# Altium PCB TMS320F28379D_Interfaz.PcbDoc (part 2 of 2)
Units mil, origin at the board's own origin, x right, y up, seen from the top; angles counter-clockwise.
Board outline 8060.03 x 5960.03 mil, 2 copper layers (Top Layer, Bottom Layer); 359 components, 256 nets, 1304 pads, 0 vias.
Unrouted connection lines stored in the file: 888.
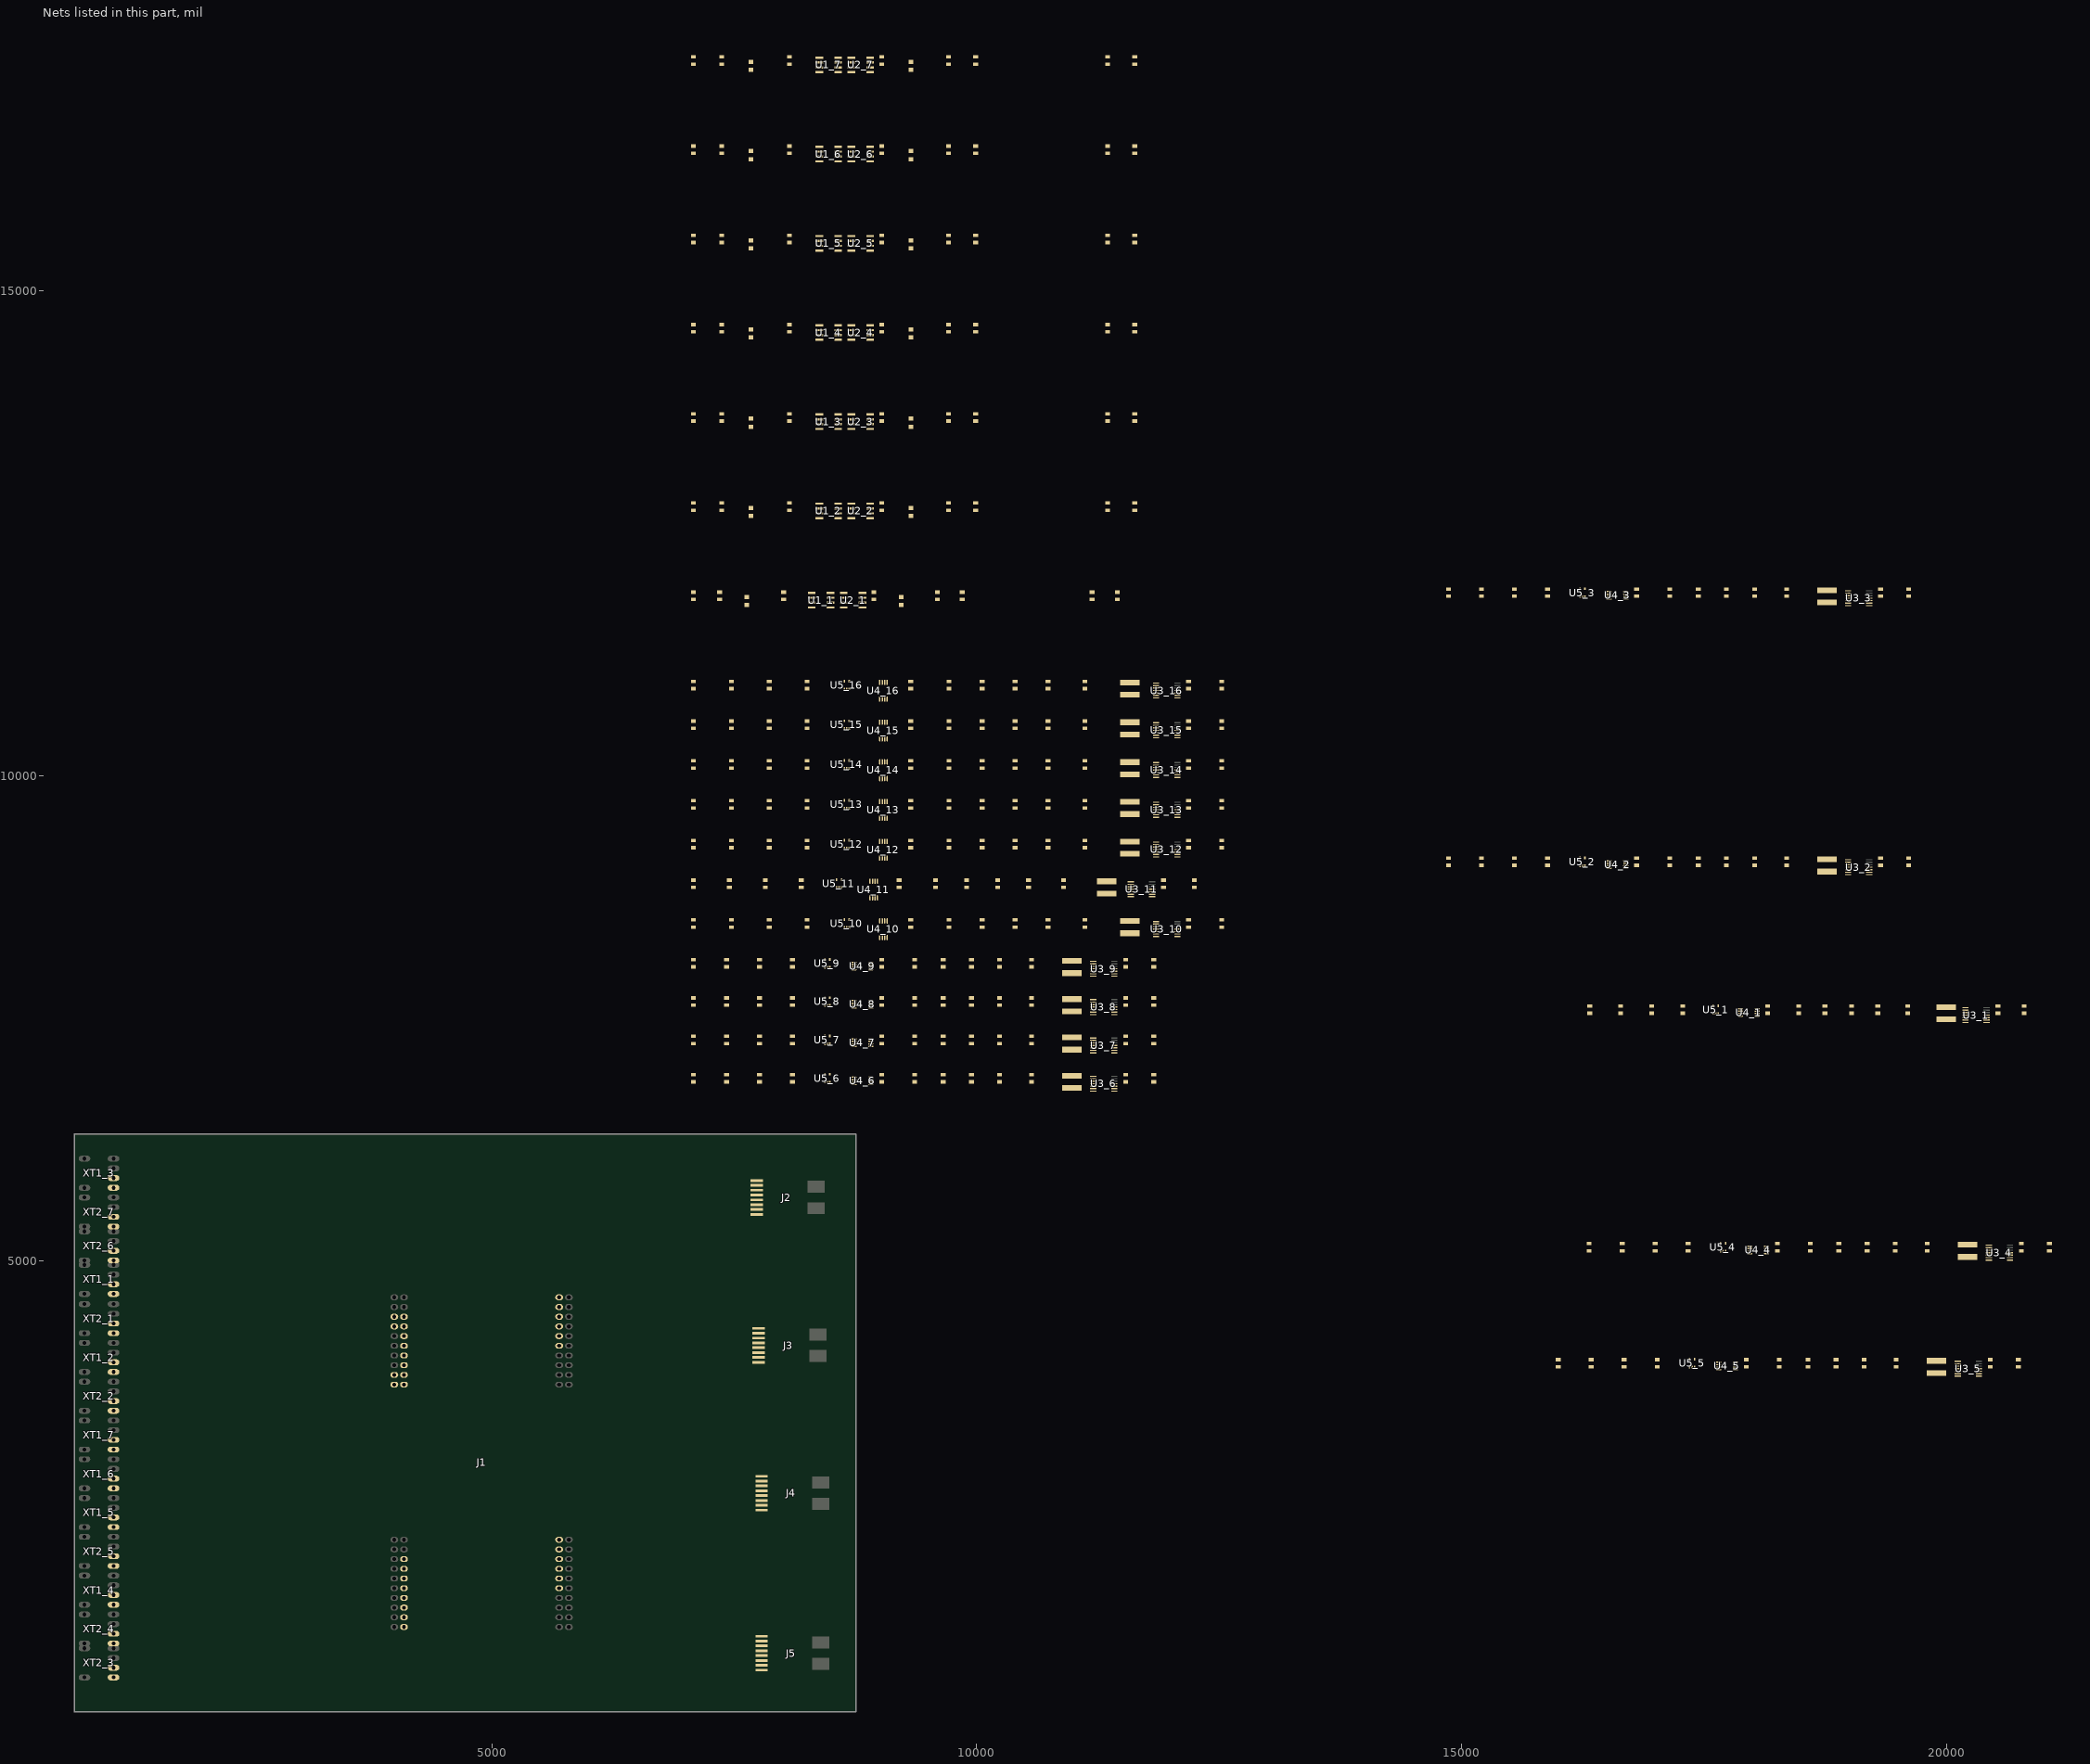
[diagram p2: the nets of this part, all layers, seen from the top]

## Part data
J1: Digi-Key Part Number=609-3221-ND, Manufacturer Part Number=67996-420HLF
J2 J3 J4 J5: "CONN MOD JACK 8P8C VERT UNSHLD", Digi-Key Part Number=A99306CT-ND, Manufacturer Part Number=1-338088-3
LED1_1 LED1_2 LED1_3 LED1_4 LED1_5 LED1_6 LED1_7 LED2_1 LED2_2 LED2_3 LED2_4 LED2_5 LED2_6 LED2_7: "Led", Digi-Key Part Number=732-4984-1-ND, Manufacturer Part Number=150080RS75000
R1_1 R1_2 R1_3 R1_4 R1_5 R1_6 R1_7 R2_1 R2_2 R2_3 R2_4 R2_5 R2_6 R2_7 R3_1 R3_2 R3_3 R3_4 R3_5 R3_6 R3_7 R4_1 R4_2 R4_3 R4_4 R4_5 R4_6 R4_7 R5_1 R5_2 R5_3 R5_4 R5_5 R5_6 R5_7 R6_1 R6_2 R6_3 R6_4 R6_5 R6_6 R6_7 R7_1 R7_2 R7_3 R7_4 R7_5 R7_6 R7_7 R7_8 R7_9 R7_10 R7_11 R7_12 R7_13 R7_14 R7_15 R7_16 R8_1 R8_2 R8_3 R8_4 R8_5 R8_6 R8_7 R8_8 R8_9 R8_10 R8_11 R8_12 R8_13 R8_14 R8_15 R8_16 R10_1 R10_2 R10_3 R10_4 R10_5 R10_6 R10_7 R10_8 R10_9 R10_10 R10_11 R10_12 R10_13 R10_14 R10_15 R10_16 R11_1 R11_2 R11_3 R11_4 R11_5 R11_6 R11_7 R11_8 R11_9 R11_10 R11_11 R11_12 R11_13 R11_14 R11_15 R11_16 R12_1 R12_2 R12_3 R12_4 R12_5 R12_6 R12_7 R12_8 R12_9 R12_10 R12_11 R12_12 R12_13 R12_14 R12_15 R12_16 R13_1 R13_2 R13_3 R13_4 R13_5 R13_6 R13_7 R13_8 R13_9 R13_10 R13_11 R13_12 R13_13 R13_14 R13_15 R13_16 R14_1 R14_2 R14_3 R14_4 R14_5 R14_6 R14_7 R14_8 R14_9 R14_10 R14_11 R14_12 R14_13 R14_14 R14_15 R14_16 R15_1 R15_2 R15_3 R15_4 R15_5 R15_6 R15_7 R15_8 R15_9 R15_10 R15_11 R15_12 R15_13 R15_14 R15_15 R15_16 R16_1 R16_2 R16_3 R16_4 R16_5 R16_6 R16_7 R16_8 R16_9 R16_10 R16_11 R16_12 R16_13 R16_14 R16_15 R16_16: library part Resistor, "Resistor"
R9_1 R9_2 R9_3 R9_4 R9_5 R9_6 R9_7 R9_8 R9_9 R9_10 R9_11 R9_12 R9_13 R9_14 R9_15 R9_16: library part Resistor, "Resistor", Digi-Key Part Number=RCL220ACT-ND, Manufacturer Part Number=RCL1218220RFKEK
U1_1 U1_2 U1_3 U1_4 U1_5 U1_6 U1_7 U2_1 U2_2 U2_3 U2_4 U2_5 U2_6 U2_7: "Dual Very-High Speed, High-Current Peripheral Drivers 8-SOIC 0 to 70", Digikey Part-Number=296-14960-6-ND, Manufacurer Part-Number=SN75451BDR
U3_1 U3_2 U3_3 U3_4 U3_5 U3_6 U3_7 U3_8 U3_9 U3_10 U3_11 U3_12 U3_13 U3_14 U3_15 U3_16: Digi-Key Part Number=OPA4344EACT-ND, Manufacturer Part Number=OPA4344EA/250, Código de producto RS=660-9868
U4_1 U4_2 U4_3 U4_4 U4_5 U4_6 U4_7 U4_8 U4_9 U4_10 U4_11 U4_12 U4_13 U4_14 U4_15 U4_16: Digi-Key Part Number=MAX962EUA+-ND, Manufacturer Part Number=MAX962EUA+, Código de producto RS=622-9241
U5_1 U5_2 U5_3 U5_4 U5_5 U5_6 U5_7 U5_8 U5_9 U5_10 U5_11 U5_12 U5_13 U5_14 U5_15 U5_16: "2-Input OR Gate", Digi-Key Part Number=MC74VHC1G32DFT1GOSCT-ND, Manufacturer Part Number=MC74VHC1G32DFT1G, Código de producto RS=806-4005
XT1_1 XT1_2 XT1_3 XT1_4 XT1_5 XT1_6 XT1_7 XT2_1 XT2_2 XT2_3 XT2_4 XT2_5 XT2_6 XT2_7: Digi-Key Part Number=516-2043-ND, Manufacturer Part Number=HFBR-1521Z

## Nets (pads, with @x,y where several pads share a name; then routed paths per layer and width w, separated by ;. In a path a pad name is that pad's centre, name@x,y a point inside that pad or via, vN(x,y) a via of type N, cw(c..) or ccw(c..) an arc to the next point about the centre after c; other vN are vias at no path point)
3.3V: R15_1.1 R15_2.1 R15_3.1 R15_4.1 R15_5.1 R15_6.1 R15_7.1 R15_8.1 R15_9.1 R15_10.1 R15_11.1 R15_12.1 R15_13.1 R15_14.1 R15_15.1 R15_16.1
+3.3V: R11_1.2 R11_2.2 R11_3.2 R11_4.2 R11_5.2 R11_6.2 R11_7.2 R11_8.2 R11_9.2 R11_10.2 R11_11.2 R11_12.2 R11_13.2 R11_14.2 R11_15.2 R11_16.2
+5V: C1_1.1 C1_2.1 C1_3.1 C1_4.1 C1_5.1 C1_6.1 C1_7.1 C2_1.1 C2_2.1 C2_3.1 C2_4.1 C2_5.1 C2_6.1 C2_7.1 C3_1.2 C3_2.2 C3_3.2 C3_4.2 C3_5.2 C3_6.2 C3_7.2 C3_8.2 C3_9.2 C3_10.2 C3_11.2 C3_12.2 C3_13.2 C3_14.2 C3_15.2 C3_16.2 C4_1.2 C4_2.2 C4_3.2 C4_4.2 C4_5.2 C4_6.2 C4_7.2 C4_8.2 C4_9.2 C4_10.2 C4_11.2 C4_12.2 C4_13.2 C4_14.2 C4_15.2 C4_16.2 R1_1.2 R1_2.2 R1_3.2 R1_4.2 R1_5.2 R1_6.2 R1_7.2 R2_1.2 R2_2.2 R2_3.2 R2_4.2 R2_5.2 R2_6.2 R2_7.2 R3_1.2 R3_2.2 R3_3.2 R3_4.2 R3_5.2 R3_6.2 R3_7.2 R4_1.2 R4_2.2 R4_3.2 R4_4.2 R4_5.2 R4_6.2 R4_7.2 U1_1.1 U1_1.6 U1_1.8 U1_2.1 U1_2.6 U1_2.8 U1_3.1 U1_3.6 U1_3.8 U1_4.1 U1_4.6 U1_4.8 U1_5.1 U1_5.6 U1_5.8 U1_6.1 U1_6.6 U1_6.8 U1_7.1 U1_7.6 U1_7.8 U2_1.1 U2_1.6 U2_1.8 U2_2.1 U2_2.6 U2_2.8 U2_3.1 U2_3.6 U2_3.8 U2_4.1 U2_4.6 U2_4.8 U2_5.1 U2_5.6 U2_5.8 U2_6.1 U2_6.6 U2_6.8 U2_7.1 U2_7.6 U2_7.8 U3_1.4 U3_2.4 U3_3.4 U3_4.4 U3_5.4 U3_6.4 U3_7.4 U3_8.4 U3_9.4 U3_10.4 U3_11.4 U3_12.4 U3_13.4 U3_14.4 U3_15.4 U3_16.4 U4_1.8 U4_2.8 U4_3.8 U4_4.8 U4_5.8 U4_6.8 U4_7.8 U4_8.8 U4_9.8 U4_10.8 U4_11.8 U4_12.8 U4_13.8 U4_14.8 U4_15.8 U4_16.8 U5_1.5 U5_2.5 U5_3.5 U5_4.5 U5_5.5 U5_6.5 U5_7.5 U5_8.5 U5_9.5 U5_10.5 U5_11.5 U5_12.5 U5_13.5 U5_14.5 U5_15.5 U5_16.5
ADC_IN_1: J2.1 R7_1.1 R9_1.2
ADC_IN_2: J2.3 R7_2.1 R9_2.2
ADC_IN_3: J2.5 R7_3.1 R9_3.2
ADC_IN_4: J2.7 R7_4.1 R9_4.2
ADC_IN_5: J3.1 R7_5.1 R9_5.2
ADC_IN_6: J3.3 R7_6.1 R9_6.2
ADC_IN_7: J3.5 R7_7.1 R9_7.2
ADC_IN_8: J3.7 R7_8.1 R9_8.2
ADC_IN_9: J4.1 R7_9.1 R9_9.2
ADC_IN_10: J4.3 R7_10.1 R9_10.2
ADC_IN_11: J4.5 R7_11.1 R9_11.2
ADC_IN_12: J4.7 R7_12.1 R9_12.2
ADC_IN_13: J5.1 R7_13.1 R9_13.2
ADC_IN_14: J5.3 R7_14.1 R9_14.2
ADC_IN_15: J5.5 R7_15.1 R9_15.2
ADC_IN_16: J5.7 R7_16.1 R9_16.2
ADC_OUT_1: C5_1.2 J1.23 R10_1.2
ADC_OUT_2: C5_2.2 J1.24 R10_2.2
ADC_OUT_3: C5_3.2 J1.25 R10_3.2
ADC_OUT_4: C5_4.2 J1.26 R10_4.2
ADC_OUT_5: C5_5.2 J1.27 R10_5.2
ADC_OUT_6: C5_6.2 J1.28 R10_6.2
ADC_OUT_7: C5_7.2 J1.29 R10_7.2
ADC_OUT_8: C5_8.2 J1.30 R10_8.2
ADC_OUT_9: C5_9.2 J1.63 R10_9.2
ADC_OUT_10: C5_10.2 J1.64 R10_10.2
ADC_OUT_11: C5_11.2 J1.65 R10_11.2
ADC_OUT_12: C5_12.2 J1.66 R10_12.2
ADC_OUT_13: C5_13.2 J1.67 R10_13.2
ADC_OUT_14: C5_14.2 J1.68 R10_14.2
ADC_OUT_15: C5_15.2 J1.69 R10_15.2
ADC_OUT_16: C5_16.2 J1.70 R10_16.2
GND: C1_1.2 C1_2.2 C1_3.2 C1_4.2 C1_5.2 C1_6.2 C1_7.2 C2_1.2 C2_2.2 C2_3.2 C2_4.2 C2_5.2 C2_6.2 C2_7.2 C3_1.1 C3_2.1 C3_3.1 C3_4.1 C3_5.1 C3_6.1 C3_7.1 C3_8.1 C3_9.1 C3_10.1 C3_11.1 C3_12.1 C3_13.1 C3_14.1 C3_15.1 C3_16.1 C4_1.1 C4_2.1 C4_3.1 C4_4.1 C4_5.1 C4_6.1 C4_7.1 C4_8.1 C4_9.1 C4_10.1 C4_11.1 C4_12.1 C4_13.1 C4_14.1 C4_15.1 C4_16.1 C5_1.1 C5_2.1 C5_3.1 C5_4.1 C5_5.1 C5_6.1 C5_7.1 C5_8.1 C5_9.1 C5_10.1 C5_11.1 C5_12.1 C5_13.1 C5_14.1 C5_15.1 C5_16.1 J2.2 J2.4 J2.6 J2.8 J3.2 J3.4 J3.6 J3.8 J4.2 J4.4 J4.6 J4.8 J5.2 J5.4 J5.6 J5.8 LED1_1.1 LED1_2.1 LED1_3.1 LED1_4.1 LED1_5.1 LED1_6.1 LED1_7.1 LED2_1.1 LED2_2.1 LED2_3.1 LED2_4.1 LED2_5.1 LED2_6.1 LED2_7.1 R5_1.1 R5_2.1 R5_3.1 R5_4.1 R5_5.1 R5_6.1 R5_7.1 R6_1.1 R6_2.1 R6_3.1 R6_4.1 R6_5.1 R6_6.1 R6_7.1 R9_1.1 R9_2.1 R9_3.1 R9_4.1 R9_5.1 R9_6.1 R9_7.1 R9_8.1 R9_9.1 R9_10.1 R9_11.1 R9_12.1 R9_13.1 R9_14.1 R9_15.1 R9_16.1 R12_1.1 R12_2.1 R12_3.1 R12_4.1 R12_5.1 R12_6.1 R12_7.1 R12_8.1 R12_9.1 R12_10.1 R12_11.1 R12_12.1 R12_13.1 R12_14.1 R12_15.1 R12_16.1 R16_1.1 R16_2.1 R16_3.1 R16_4.1 R16_5.1 R16_6.1 R16_7.1 R16_8.1 R16_9.1 R16_10.1 R16_11.1 R16_12.1 R16_13.1 R16_14.1 R16_15.1 R16_16.1 U1_1.4 U1_2.4 U1_3.4 U1_4.4 U1_5.4 U1_6.4 U1_7.4 U2_1.4 U2_2.4 U2_3.4 U2_4.4 U2_5.4 U2_6.4 U2_7.4 U3_1.11 U3_2.11 U3_3.11 U3_4.11 U3_5.11 U3_6.11 U3_7.11 U3_8.11 U3_9.11 U3_10.11 U3_11.11 U3_12.11 U3_13.11 U3_14.11 U3_15.11 U3_16.11 U4_1.5 U4_2.5 U4_3.5 U4_4.5 U4_5.5 U4_6.5 U4_7.5 U4_8.5 U4_9.5 U4_10.5 U4_11.5 U4_12.5 U4_13.5 U4_14.5 U4_15.5 U4_16.5 U5_1.3 U5_2.3 U5_3.3 U5_4.3 U5_5.3 U5_6.3 U5_7.3 U5_8.3 U5_9.3 U5_10.3 U5_11.3 U5_12.3 U5_13.3 U5_14.3 U5_15.3 U5_16.3 XT1_1.2 XT1_2.2 XT1_3.2 XT1_4.2 XT1_5.2 XT1_6.2 XT1_7.2 XT2_1.2 XT2_2.2 XT2_3.2 XT2_4.2 XT2_5.2 XT2_6.2 XT2_7.2
NetLED1_1_2: LED1_1.2 R3_1.1 U2_1.3
NetLED1_2_2: LED1_2.2 R3_2.1 U2_2.3
NetLED1_3_2: LED1_3.2 R3_3.1 U2_3.3
NetLED1_4_2: LED1_4.2 R3_4.1 U2_4.3
NetLED1_5_2: LED1_5.2 R3_5.1 U2_5.3
NetLED1_6_2: LED1_6.2 R3_6.1 U2_6.3
NetLED1_7_2: LED1_7.2 R3_7.1 U2_7.3
NetLED2_1_2: LED2_1.2 R4_1.1 U2_1.5
NetLED2_2_2: LED2_2.2 R4_2.1 U2_2.5
NetLED2_3_2: LED2_3.2 R4_3.1 U2_3.5
NetLED2_4_2: LED2_4.2 R4_4.1 U2_4.5
NetLED2_5_2: LED2_5.2 R4_5.1 U2_5.5
NetLED2_6_2: LED2_6.2 R4_6.1 U2_6.5
NetLED2_7_2: LED2_7.2 R4_7.1 U2_7.5
NetR1_1_1: R1_1.1 U1_1.3 XT1_1.1
NetR1_2_1: R1_2.1 U1_2.3 XT1_2.1
NetR1_3_1: R1_3.1 U1_3.3 XT1_3.1
NetR1_4_1: R1_4.1 U1_4.3 XT1_4.1
NetR1_5_1: R1_5.1 U1_5.3 XT1_5.1
NetR1_6_1: R1_6.1 U1_6.3 XT1_6.1
NetR1_7_1: R1_7.1 U1_7.3 XT1_7.1
NetR2_1_1: R2_1.1 U1_1.5 XT2_1.1
NetR2_2_1: R2_2.1 U1_2.5 XT2_2.1
NetR2_3_1: R2_3.1 U1_3.5 XT2_3.1
NetR2_4_1: R2_4.1 U1_4.5 XT2_4.1
NetR2_5_1: R2_5.1 U1_5.5 XT2_5.1
NetR2_6_1: R2_6.1 U1_6.5 XT2_6.1
NetR2_7_1: R2_7.1 U1_7.5 XT2_7.1
NetR7_1_2: R7_1.2 R8_1.1 U3_1.2
NetR7_2_2: R7_2.2 R8_2.1 U3_2.2
NetR7_3_2: R7_3.2 R8_3.1 U3_3.2
NetR7_4_2: R7_4.2 R8_4.1 U3_4.2
NetR7_5_2: R7_5.2 R8_5.1 U3_5.2
NetR7_6_2: R7_6.2 R8_6.1 U3_6.2
NetR7_7_2: R7_7.2 R8_7.1 U3_7.2
NetR7_8_2: R7_8.2 R8_8.1 U3_8.2
NetR7_9_2: R7_9.2 R8_9.1 U3_9.2
NetR7_10_2: R7_10.2 R8_10.1 U3_10.2
NetR7_11_2: R7_11.2 R8_11.1 U3_11.2
NetR7_12_2: R7_12.2 R8_12.1 U3_12.2
NetR7_13_2: R7_13.2 R8_13.1 U3_13.2
NetR7_14_2: R7_14.2 R8_14.1 U3_14.2
NetR7_15_2: R7_15.2 R8_15.1 U3_15.2
NetR7_16_2: R7_16.2 R8_16.1 U3_16.2
NetR8_1_2: R8_1.2 R10_1.1 U3_1.1 U4_1.2 U4_1.3
NetR8_2_2: R8_2.2 R10_2.1 U3_2.1 U4_2.2 U4_2.3
NetR8_3_2: R8_3.2 R10_3.1 U3_3.1 U4_3.2 U4_3.3
NetR8_4_2: R8_4.2 R10_4.1 U3_4.1 U4_4.2 U4_4.3
NetR8_5_2: R8_5.2 R10_5.1 U3_5.1 U4_5.2 U4_5.3
NetR8_6_2: R8_6.2 R10_6.1 U3_6.1 U4_6.2 U4_6.3
NetR8_7_2: R8_7.2 R10_7.1 U3_7.1 U4_7.2 U4_7.3
NetR8_8_2: R8_8.2 R10_8.1 U3_8.1 U4_8.2 U4_8.3
NetR8_9_2: R8_9.2 R10_9.1 U3_9.1 U4_9.2 U4_9.3
NetR8_10_2: R8_10.2 R10_10.1 U3_10.1 U4_10.2 U4_10.3
NetR8_11_2: R8_11.2 R10_11.1 U3_11.1 U4_11.2 U4_11.3
NetR8_12_2: R8_12.2 R10_12.1 U3_12.1 U4_12.2 U4_12.3
NetR8_13_2: R8_13.2 R10_13.1 U3_13.1 U4_13.2 U4_13.3
NetR8_14_2: R8_14.2 R10_14.1 U3_14.1 U4_14.2 U4_14.3
NetR8_15_2: R8_15.2 R10_15.1 U3_15.1 U4_15.2 U4_15.3
NetR8_16_2: R8_16.2 R10_16.1 U3_16.1 U4_16.2 U4_16.3
NetR11_1_1: R11_1.1 R12_1.2 U3_1.3
NetR11_2_1: R11_2.1 R12_2.2 U3_2.3
NetR11_3_1: R11_3.1 R12_3.2 U3_3.3
NetR11_4_1: R11_4.1 R12_4.2 U3_4.3
NetR11_5_1: R11_5.1 R12_5.2 U3_5.3
NetR11_6_1: R11_6.1 R12_6.2 U3_6.3
NetR11_7_1: R11_7.1 R12_7.2 U3_7.3
NetR11_8_1: R11_8.1 R12_8.2 U3_8.3
NetR11_9_1: R11_9.1 R12_9.2 U3_9.3
NetR11_10_1: R11_10.1 R12_10.2 U3_10.3
NetR11_11_1: R11_11.1 R12_11.2 U3_11.3
NetR11_12_1: R11_12.1 R12_12.2 U3_12.3
NetR11_13_1: R11_13.1 R12_13.2 U3_13.3
NetR11_14_1: R11_14.1 R12_14.2 U3_14.3
NetR11_15_1: R11_15.1 R12_15.2 U3_15.3
NetR11_16_1: R11_16.1 R12_16.2 U3_16.3
NetR13_1_1: R13_1.1 U3_1.6 U3_1.7 U4_1.1
NetR13_1_2: R13_1.2 R14_1.1 U3_1.9
NetR13_2_1: R13_2.1 U3_2.6 U3_2.7 U4_2.1
NetR13_2_2: R13_2.2 R14_2.1 U3_2.9
NetR13_3_1: R13_3.1 U3_3.6 U3_3.7 U4_3.1
NetR13_3_2: R13_3.2 R14_3.1 U3_3.9
NetR13_4_1: R13_4.1 U3_4.6 U3_4.7 U4_4.1
NetR13_4_2: R13_4.2 R14_4.1 U3_4.9
NetR13_5_1: R13_5.1 U3_5.6 U3_5.7 U4_5.1
NetR13_5_2: R13_5.2 R14_5.1 U3_5.9
NetR13_6_1: R13_6.1 U3_6.6 U3_6.7 U4_6.1
NetR13_6_2: R13_6.2 R14_6.1 U3_6.9
NetR13_7_1: R13_7.1 U3_7.6 U3_7.7 U4_7.1
NetR13_7_2: R13_7.2 R14_7.1 U3_7.9
NetR13_8_1: R13_8.1 U3_8.6 U3_8.7 U4_8.1
NetR13_8_2: R13_8.2 R14_8.1 U3_8.9
NetR13_9_1: R13_9.1 U3_9.6 U3_9.7 U4_9.1
NetR13_9_2: R13_9.2 R14_9.1 U3_9.9
NetR13_10_1: R13_10.1 U3_10.6 U3_10.7 U4_10.1
NetR13_10_2: R13_10.2 R14_10.1 U3_10.9
NetR13_11_1: R13_11.1 U3_11.6 U3_11.7 U4_11.1
NetR13_11_2: R13_11.2 R14_11.1 U3_11.9
NetR13_12_1: R13_12.1 U3_12.6 U3_12.7 U4_12.1
NetR13_12_2: R13_12.2 R14_12.1 U3_12.9
NetR13_13_1: R13_13.1 U3_13.6 U3_13.7 U4_13.1
NetR13_13_2: R13_13.2 R14_13.1 U3_13.9
NetR13_14_1: R13_14.1 U3_14.6 U3_14.7 U4_14.1
NetR13_14_2: R13_14.2 R14_14.1 U3_14.9
NetR13_15_1: R13_15.1 U3_15.6 U3_15.7 U4_15.1
NetR13_15_2: R13_15.2 R14_15.1 U3_15.9
NetR13_16_1: R13_16.1 U3_16.6 U3_16.7 U4_16.1
NetR13_16_2: R13_16.2 R14_16.1 U3_16.9
NetR14_1_2: R14_1.2 U3_1.8 U4_1.4
NetR14_2_2: R14_2.2 U3_2.8 U4_2.4
NetR14_3_2: R14_3.2 U3_3.8 U4_3.4
NetR14_4_2: R14_4.2 U3_4.8 U4_4.4
NetR14_5_2: R14_5.2 U3_5.8 U4_5.4
NetR14_6_2: R14_6.2 U3_6.8 U4_6.4
NetR14_7_2: R14_7.2 U3_7.8 U4_7.4
NetR14_8_2: R14_8.2 U3_8.8 U4_8.4
NetR14_9_2: R14_9.2 U3_9.8 U4_9.4
NetR14_10_2: R14_10.2 U3_10.8 U4_10.4
NetR14_11_2: R14_11.2 U3_11.8 U4_11.4
NetR14_12_2: R14_12.2 U3_12.8 U4_12.4
NetR14_13_2: R14_13.2 U3_13.8 U4_13.4
NetR14_14_2: R14_14.2 U3_14.8 U4_14.4
NetR14_15_2: R14_15.2 U3_15.8 U4_15.4
NetR14_16_2: R14_16.2 U3_16.8 U4_16.4
NetR15_1_2: R15_1.2 R16_1.2 U3_1.10
NetR15_2_2: R15_2.2 R16_2.2 U3_2.10
NetR15_3_2: R15_3.2 R16_3.2 U3_3.10
NetR15_4_2: R15_4.2 R16_4.2 U3_4.10
NetR15_5_2: R15_5.2 R16_5.2 U3_5.10
NetR15_6_2: R15_6.2 R16_6.2 U3_6.10
NetR15_7_2: R15_7.2 R16_7.2 U3_7.10
NetR15_8_2: R15_8.2 R16_8.2 U3_8.10
NetR15_9_2: R15_9.2 R16_9.2 U3_9.10
NetR15_10_2: R15_10.2 R16_10.2 U3_10.10
NetR15_11_2: R15_11.2 R16_11.2 U3_11.10
NetR15_12_2: R15_12.2 R16_12.2 U3_12.10
NetR15_13_2: R15_13.2 R16_13.2 U3_13.10
NetR15_14_2: R15_14.2 R16_14.2 U3_14.10
NetR15_15_2: R15_15.2 R16_15.2 U3_15.10
NetR15_16_2: R15_16.2 R16_16.2 U3_16.10
NetU4_1_6: U4_1.6 U5_1.1
NetU4_1_7: U4_1.7 U5_1.2
NetU4_2_6: U4_2.6 U5_2.1
NetU4_2_7: U4_2.7 U5_2.2
NetU4_3_6: U4_3.6 U5_3.1
NetU4_3_7: U4_3.7 U5_3.2
NetU4_4_6: U4_4.6 U5_4.1
NetU4_4_7: U4_4.7 U5_4.2
NetU4_5_6: U4_5.6 U5_5.1
NetU4_5_7: U4_5.7 U5_5.2
NetU4_6_6: U4_6.6 U5_6.1
NetU4_6_7: U4_6.7 U5_6.2
NetU4_7_6: U4_7.6 U5_7.1
NetU4_7_7: U4_7.7 U5_7.2
NetU4_8_6: U4_8.6 U5_8.1
NetU4_8_7: U4_8.7 U5_8.2
NetU4_9_6: U4_9.6 U5_9.1
NetU4_9_7: U4_9.7 U5_9.2
NetU4_10_6: U4_10.6 U5_10.1
NetU4_10_7: U4_10.7 U5_10.2
NetU4_11_6: U4_11.6 U5_11.1
NetU4_11_7: U4_11.7 U5_11.2
NetU4_12_6: U4_12.6 U5_12.1
NetU4_12_7: U4_12.7 U5_12.2
NetU4_13_6: U4_13.6 U5_13.1
NetU4_13_7: U4_13.7 U5_13.2
NetU4_14_6: U4_14.6 U5_14.1
NetU4_14_7: U4_14.7 U5_14.2
NetU4_15_6: U4_15.6 U5_15.1
NetU4_15_7: U4_15.7 U5_15.2
NetU4_16_6: U4_16.6 U5_16.1
NetU4_16_7: U4_16.7 U5_16.2
NetU5_1_4: U5_1.4
NetU5_2_4: U5_2.4
NetU5_3_4: U5_3.4
NetU5_4_4: U5_4.4
NetU5_5_4: U5_5.4
NetU5_6_4: U5_6.4
NetU5_7_4: U5_7.4
NetU5_8_4: U5_8.4
NetU5_9_4: U5_9.4
NetU5_10_4: U5_10.4
NetU5_11_4: U5_11.4
NetU5_12_4: U5_12.4
NetU5_13_4: U5_13.4
NetU5_14_4: U5_14.4
NetU5_15_4: U5_15.4
NetU5_16_4: U5_16.4
PWMA_1: J1.40 R6_1.2 U1_1.2 U2_1.2
PWMA_2: J1.38 R6_2.2 U1_2.2 U2_2.2
PWMA_3: J1.36 R6_3.2 U1_3.2 U2_3.2
PWMA_4: J1.80 R6_4.2 U1_4.2 U2_4.2
PWMA_5: J1.78 R6_5.2 U1_5.2 U2_5.2
PWMA_6: J1.76 R6_6.2 U1_6.2 U2_6.2
PWMA_10: J1.4 R6_7.2 U1_7.2 U2_7.2
PWMB_1: J1.39 R5_1.2 U1_1.7 U2_1.7
PWMB_2: J1.37 R5_2.2 U1_2.7 U2_2.7
PWMB_3: J1.35 R5_3.2 U1_3.7 U2_3.7
PWMB_4: J1.79 R5_4.2 U1_4.7 U2_4.7
PWMB_5: J1.77 R5_5.2 U1_5.7 U2_5.7
PWMB_6: J1.75 R5_6.2 U1_6.7 U2_6.7
PWMB_10: J1.3 R5_7.2 U1_7.7 U2_7.7
R_I2C_1: U3_1.5
R_I2C_2: U3_2.5
R_I2C_3: U3_3.5
R_I2C_4: U3_4.5
R_I2C_5: U3_5.5
R_I2C_6: U3_6.5
R_I2C_7: U3_7.5
R_I2C_8: U3_8.5
R_I2C_9: U3_9.5
R_I2C_10: U3_10.5
R_I2C_11: U3_11.5
R_I2C_12: U3_12.5
R_I2C_13: U3_13.5
R_I2C_14: U3_14.5
R_I2C_15: U3_15.5
R_I2C_16: U3_16.5
SCL_I2C: J1.9
SDA_I2C: J1.10
pads on no net: J1.1 J1.2 J1.5 J1.6 J1.7 J1.8 J1.11 J1.12 J1.13 J1.14 J1.15 J1.16 J1.17 J1.18 J1.19 J1.20 J1.21 J1.22 J1.31 J1.32 J1.33 J1.34 J1.41 J1.42 J1.43 J1.44 J1.45 J1.46 J1.47 J1.48 J1.49 J1.50 J1.51 J1.52 J1.53 J1.54 J1.55 J1.56 J1.57 J1.58 J1.59 J1.60 J1.61 J1.62 J1.71 J1.72 J1.73 J1.74 J2.P1 J2.P2 J3.P1 J3.P2 J4.P1 J4.P2 J5.P1 J5.P2 U3_1.12 U3_1.13 U3_1.14 U3_2.12 U3_2.13 U3_2.14 U3_3.12 U3_3.13 U3_3.14 U3_4.12 U3_4.13 U3_4.14 U3_5.12 U3_5.13 U3_5.14 U3_6.12 U3_6.13 U3_6.14 U3_7.12 U3_7.13 U3_7.14 U3_8.12 U3_8.13 U3_8.14 U3_9.12 U3_9.13 U3_9.14 U3_10.12 U3_10.13 U3_10.14 U3_11.12 U3_11.13 U3_11.14 U3_12.12 U3_12.13 U3_12.14 U3_13.12 U3_13.13 U3_13.14 U3_14.12 U3_14.13 U3_14.14 U3_15.12 U3_15.13 U3_15.14 U3_16.12 U3_16.13 U3_16.14 XT1_1.3 XT1_1.4 XT1_1.5 XT1_1.8 XT1_2.3 XT1_2.4 XT1_2.5 XT1_2.8 XT1_3.3 XT1_3.4 XT1_3.5 XT1_3.8 XT1_4.3 XT1_4.4 XT1_4.5 XT1_4.8 XT1_5.3 XT1_5.4 XT1_5.5 XT1_5.8 XT1_6.3 XT1_6.4 XT1_6.5 XT1_6.8 XT1_7.3 XT1_7.4 XT1_7.5 XT1_7.8 XT2_1.3 XT2_1.4 XT2_1.5 XT2_1.8 XT2_2.3 XT2_2.4 XT2_2.5 XT2_2.8 XT2_3.3 XT2_3.4 XT2_3.5 XT2_3.8 XT2_4.3 XT2_4.4 XT2_4.5 XT2_4.8 XT2_5.3 XT2_5.4 XT2_5.5 XT2_5.8 XT2_6.3 XT2_6.4 XT2_6.5 XT2_6.8 XT2_7.3 XT2_7.4 XT2_7.5 XT2_7.8

## Silkscreen, mask and mechanical layers (free items; w line width, h text height)
Mechanical 1:
  lines w10: 700,6100 700,6300 8750,6300 8750,350 700,350 700,6150

## Text inside footprints (layer, text, board x,y; h text height)
J1: Top Overlay "5V" at 4190,2085 h60; Top Overlay "GND" at 4190,2000 h38; Top Overlay "5V" at 4190,4585 h60; Top Overlay "3V3" at 3770,4585 h60; Top Overlay "3V3" at 3770,2085 h60; Top Overlay "GND" at 4190,4500 h38; Top Overlay "23" at 4165,4405 h30; Top Overlay "24" at 4165,4305 h30; Top Overlay "25" at 4165,4205 h30; Top Overlay "26" at 4165,4105 h30; Top Overlay "27" at 4165,4010 h30; Top Overlay "28" at 4165,3905 h30; Top Overlay "29" at 4155,3805 h30; Top Overlay "30" at 4165,3705 h30; Top Overlay "2" at 3855,4505 h30; Top Overlay "3" at 3855,4405 h30; Top Overlay "4" at 3855,4300 h30; Top Overlay "5" at 3860,4200 h30; Top Overlay "6" at 3860,4105 h30; Top Overlay "7" at 3865,4005 h30; Top Overlay "8" at 3870,3900 h30; Top Overlay "9" at 3865,3800 h30; Top Overlay "10" at 3865,3700 h30; Top Overlay "63" at 4170,1900 h30; Top Overlay "64" at 4170,1800 h30; Top Overlay "65" at 4170,1705 h30; Top Overlay "66" at 4175,1605 h30; Top Overlay "67" at 4175,1505 h30; Top Overlay "68" at 4175,1405 h30; Top Overlay "69" at 4175,1305 h30; Top Overlay "70" at 4180,1205 h30; Top Overlay "42" at 3850,2005 h30; Top Overlay "43" at 3855,1905 h30; Top Overlay "44" at 3855,1805 h30; Top Overlay "45" at 3855,1700 h30; Top Overlay "46" at 3855,1605 h30; Top Overlay "47" at 3855,1505 h30; Top Overlay "48" at 3855,1405 h30; Top Overlay "49" at 3855,1300 h30; Top Overlay "50" at 3855,1205 h30; Top Overlay "GND" at 5900,2100 h38; Top Overlay "GND" at 5900,4600 h38; Top Overlay "19" at 5870,4505 h30; Top Overlay "18" at 5870,4405 h30; Top Overlay "17" at 5870,4305 h30; Top Overlay "16" at 5870,4205 h30; Top Overlay "15" at 5870,4105 h30; Top Overlay "14" at 5870,4005 h30; Top Overlay "13" at 5870,3905 h30; Top Overlay "12" at 5870,3805 h30; Top Overlay "11" at 5870,3710 h30; Top Overlay "31" at 5575,3705 h30; Top Overlay "32" at 5575,3800 h30; Top Overlay "33" at 5575,3905 h30; Top Overlay "34" at 5575,4005 h30; Top Overlay "35" at 5570,4100 h30; Top Overlay "36" at 5570,4200 h30; Top Overlay "37" at 5570,4305 h30; Top Overlay "38" at 5570,4405 h30; Top Overlay "39" at 5570,4505 h30; Top Overlay "40" at 5570,4605 h30; Top Overlay "59" at 5870,2005 h30; Top Overlay "58" at 5870,1905 h30; Top Overlay "57" at 5870,1805 h30; Top Overlay "56" at 5870,1705 h30; Top Overlay "55" at 5870,1605 h30; Top Overlay "54" at 5870,1505 h30; Top Overlay "53" at 5870,1405 h30; Top Overlay "52" at 5870,1305 h30; Top Overlay "51" at 5870,1205 h30; Top Overlay "71" at 5580,1205 h30; Top Overlay "72" at 5575,1305 h30; Top Overlay "73" at 5575,1405 h30; Top Overlay "74" at 5575,1505 h30; Top Overlay "75" at 5575,1600 h30; Top Overlay "76" at 5575,1700 h30; Top Overlay "77" at 5575,1805 h30; Top Overlay "78" at 5575,1905 h30; Top Overlay "79" at 5575,2005 h30; Top Overlay "80" at 5575,2105 h30
LED1_1: Top Overlay "+" at 9240,11880 h40 r90
LED1_2: Top Overlay "+" at 9340,12800 h40 r90
LED1_3: Top Overlay "+" at 9340,13720 h40 r90
LED1_4: Top Overlay "+" at 9340,14640 h40 r90
LED1_5: Top Overlay "+" at 9340,15560 h40 r90
LED1_6: Top Overlay "+" at 9340,16480 h40 r90
LED1_7: Top Overlay "+" at 9340,17400 h40 r90
LED2_1: Top Overlay "+" at 7650,11880 h40 r90
LED2_2: Top Overlay "+" at 7690,12800 h40 r90
LED2_3: Top Overlay "+" at 7690,13720 h40 r90
LED2_4: Top Overlay "+" at 7690,14640 h40 r90
LED2_5: Top Overlay "+" at 7690,15560 h40 r90
LED2_6: Top Overlay "+" at 7690,16480 h40 r90
LED2_7: Top Overlay "+" at 7690,17400 h40 r90